# Altium PCB ModemExt.PcbDoc
Units mm, origin at the board's own origin, x right, y up, seen from the top; angles counter-clockwise.
Board outline 33.91 x 33.02 mm, 4 copper layers (Top Layer, GND, POWER, Bottom Layer), stack 1.019 mm thick; 56 components, 52 nets, 443 pads, 107 vias.
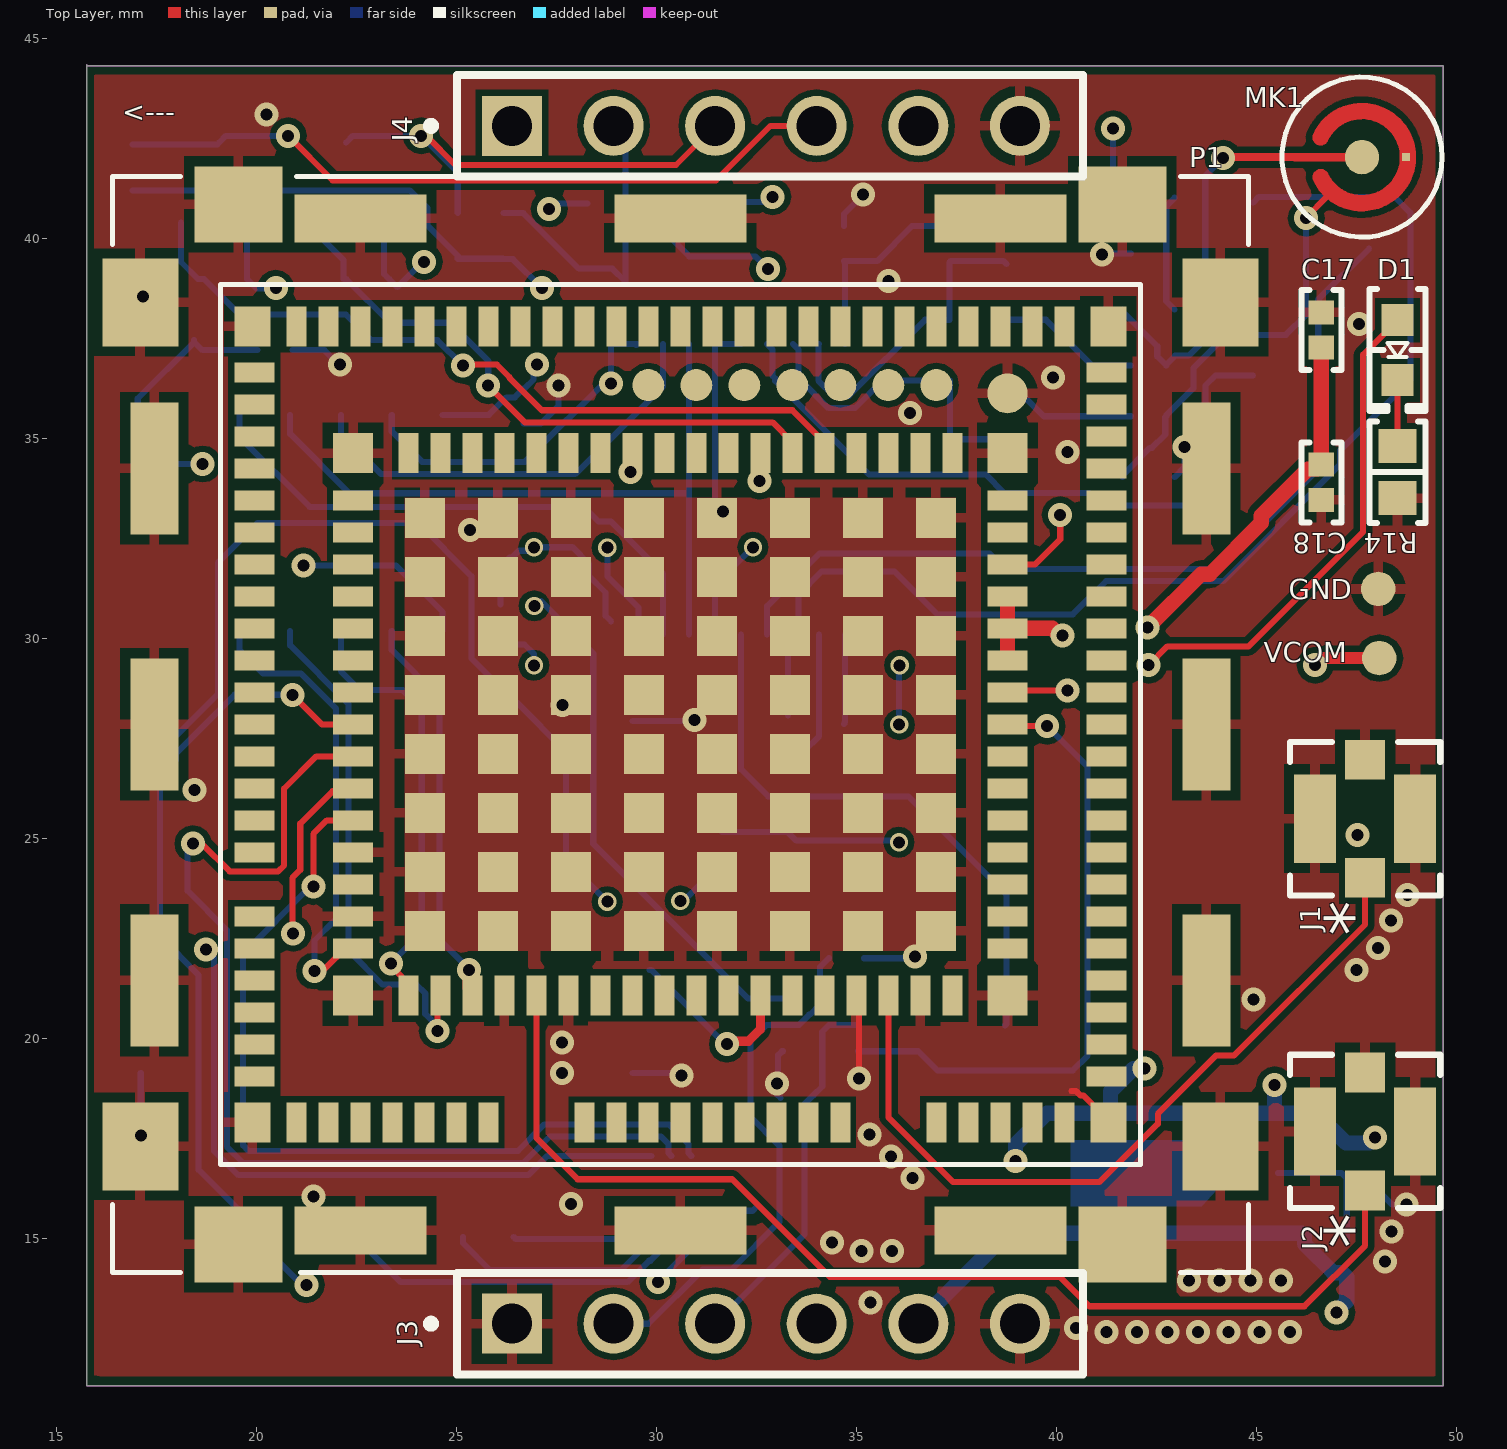
[diagram p0: Top Layer view]
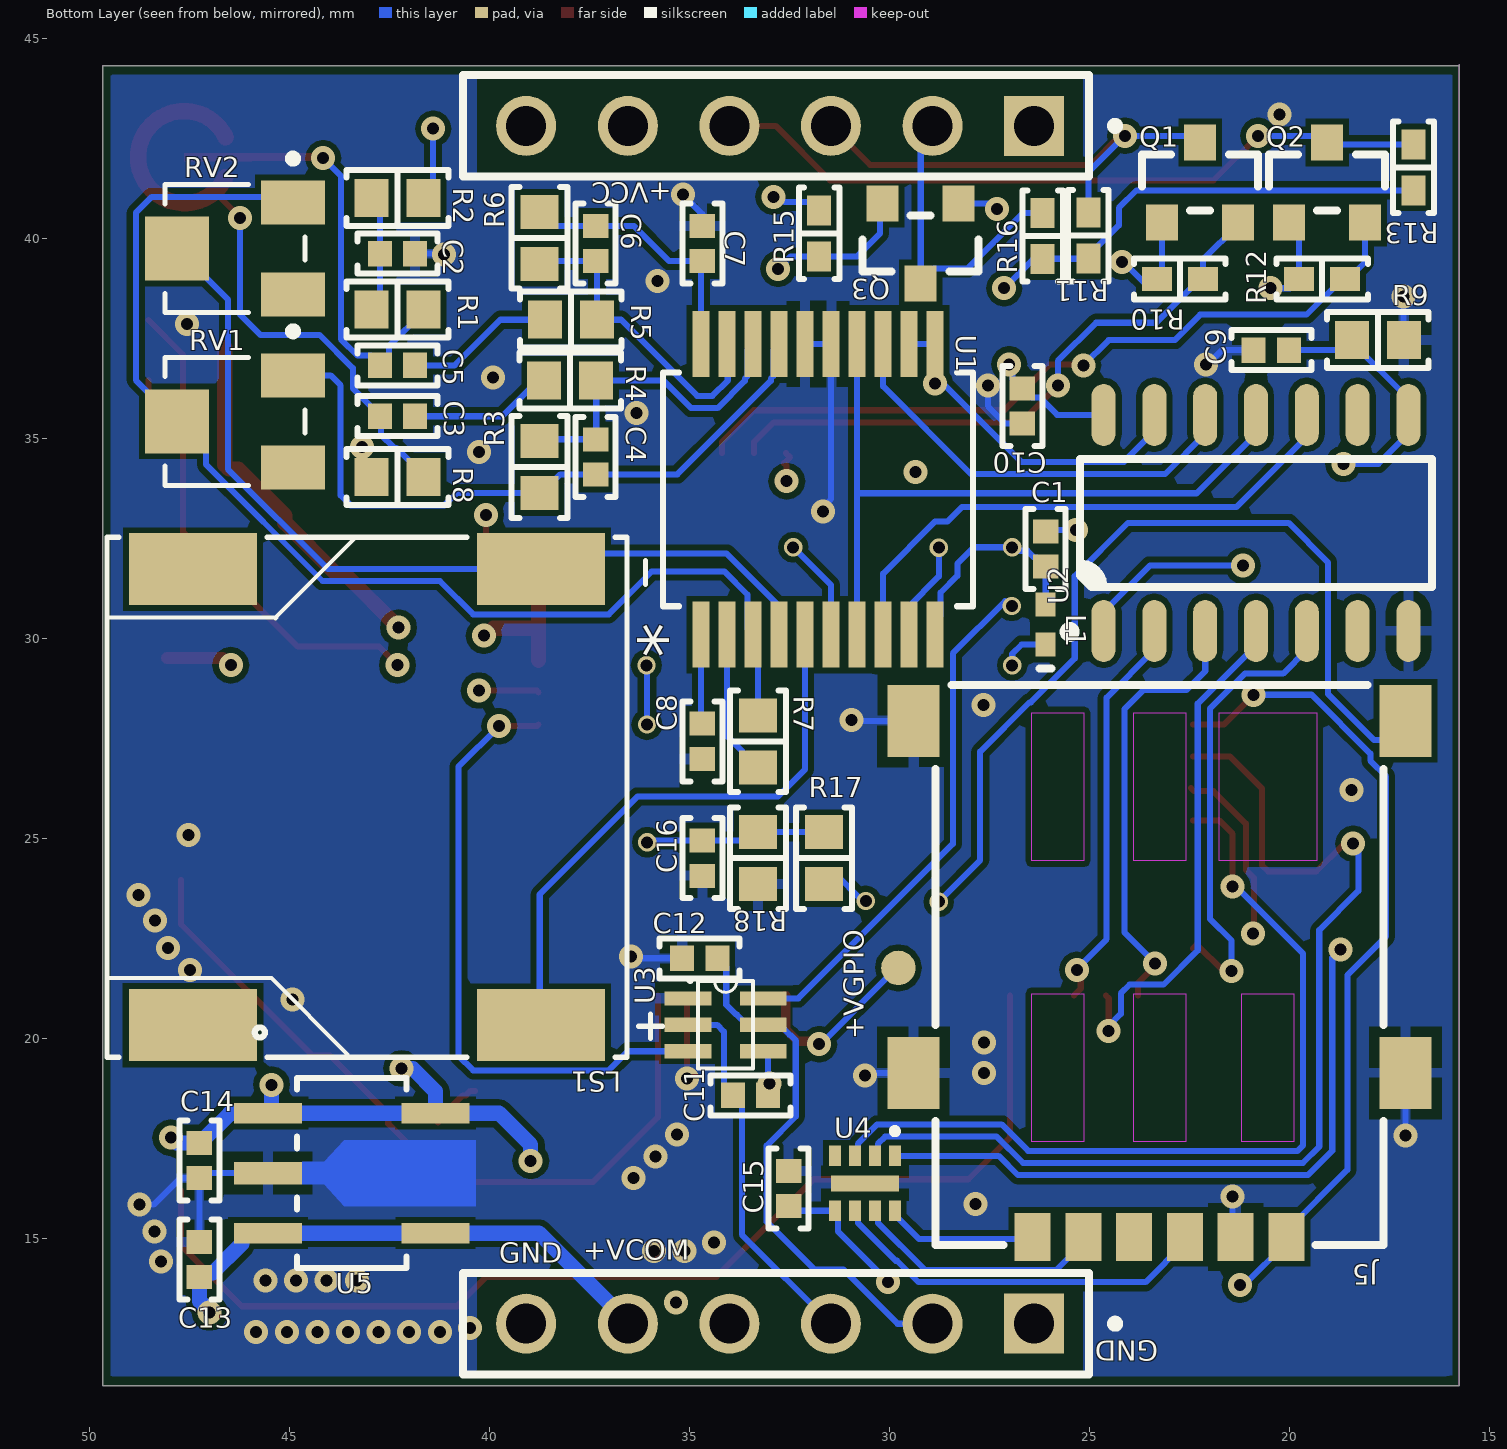
[diagram p1: Bottom Layer view, seen from below]
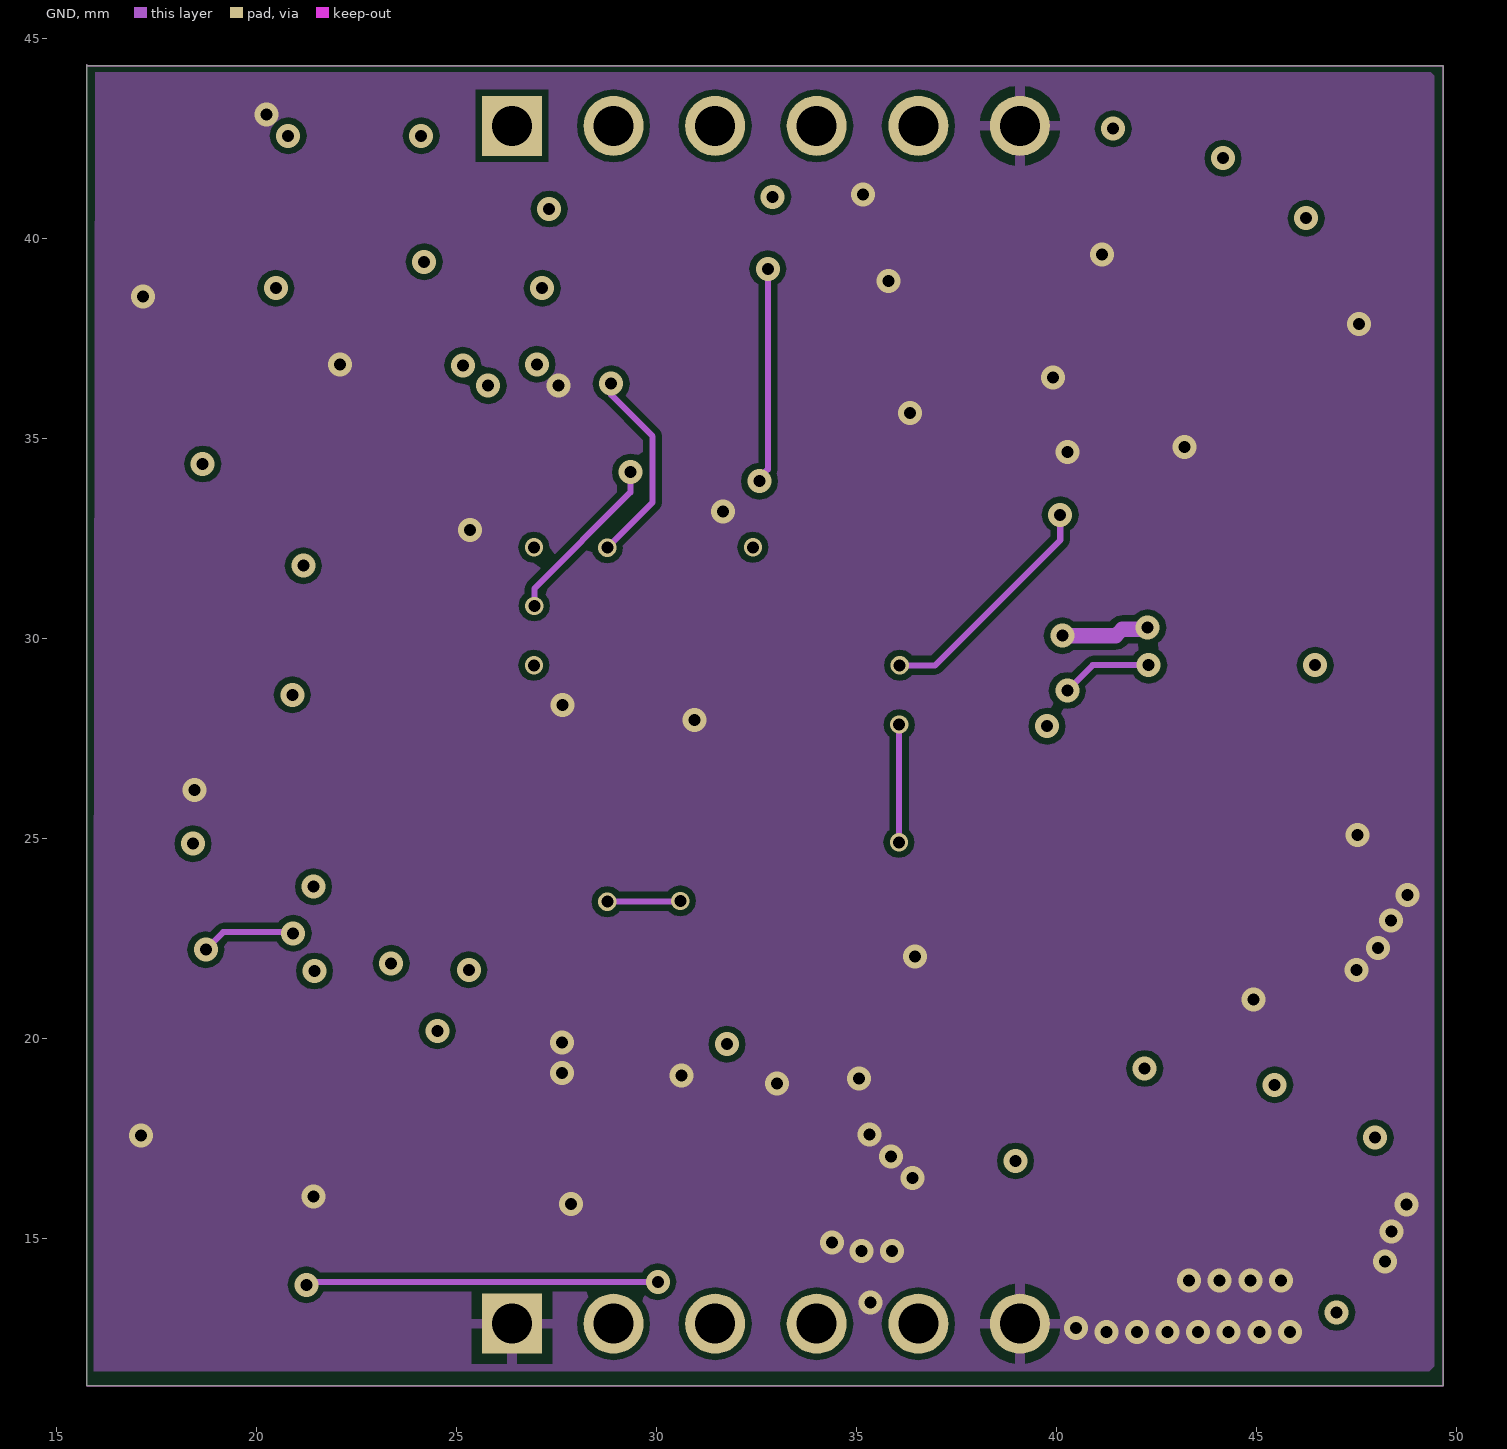
[diagram p2: GND]
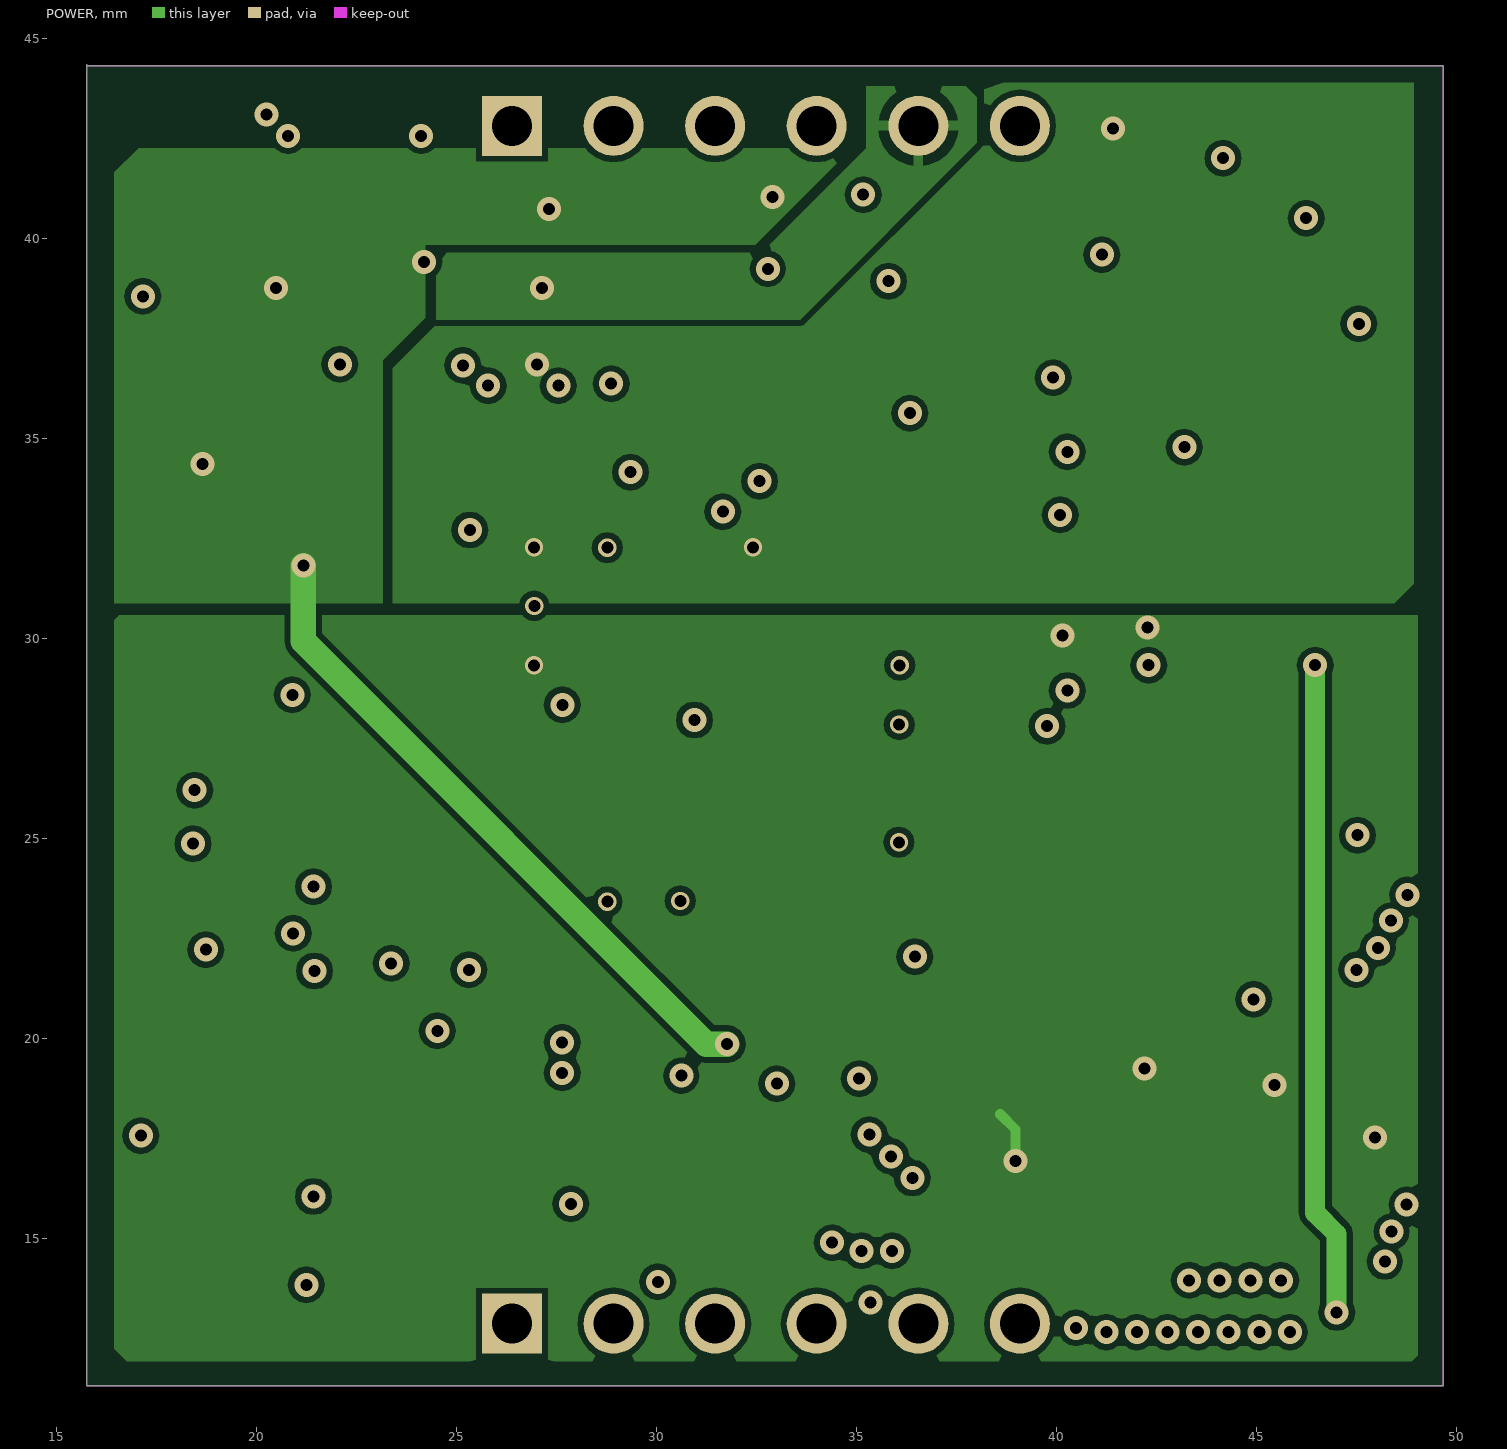
[diagram p3: POWER]

## Layer stack, top to bottom
Top Solder: solder mask 0.0102, Solder Resist, Dk 3.5
Top Layer: signal copper 0.0356
Dielectric 2: prepreg 0.091, FR-4, Dk 4.3
GND: signal copper 0.035
Dielectric 1: dielectric 0.696, FR-4, Dk 4.3
POWER: signal copper 0.035
Dielectric 3: prepreg 0.091, FR-4, Dk 4.3
Bottom Layer: signal copper 0.0356
Bottom Solder: solder mask 0.0102, Solder Resist, Dk 3.5

## Board outline
49.657,44.323 15.768,44.323 15.748,44.343 15.748,11.323 49.657,11.323

## Design rules (kind name [scope] priority, off if disabled: settings)
Clearance [All] p1: gap=0.152 ignorepadtopadclearanceinfootprint=TRUE except(0: Arc-Text Track-Text SMDPad-Text THPad-Text Via-Text Fill-Text Poly-Text Region-Text Text-Text Text-Hole)
ComponentClearance [All] p1: gap=0.15 collisioncheckmode=3 verticalgap=0.254 showdistances=TRUE
HoleSize [All] p1: absolutevalues=TRUE maxlimit=2.54 minlimit=0.3 maxpercent=80.000 minpercent=20.000
HoleToHoleClearance [All] p1: gap=0.152 allowstackedmicrovias=TRUE
MinimumSolderMaskSliver [All] p1: minsoldermaskwidth=0
PlaneConnect [All] p1: planeconnectstyle=Direct reliefexpansion=0.508 reliefentries=4 reliefconductorwidth=0.254 reliefairgap=0.254
PolygonConnect GND-Base [IsNamedPolygon('GND_L01_P030') vs HasFootprint('SIERRA_WP_SNAP-IN_BASE')] p1: connectstyle=Direct reliefconductorwidth=0.254 reliefentries=4 polygonreliefangle="90 Angle" airgapwidth=0.254
PolygonConnect [All] p2: thpad.connectstyle=Relief thpad.reliefconductorwidth=0.254 thpad.reliefentries=4 thpad.polygonreliefangle="90 Angle" thpad.airgapwidth=0.254 smdpad.connectstyle=Relief smdpad.reliefconductorwidth=0.254 smdpad.reliefentries=4 smdpad.polygonreliefangle="90 Angle" smdpad.airgapwidth=0.254 via.connectstyle=Direct via.reliefconductorwidth=0.254 via.reliefentries=4 via.polygonreliefangle="90 Angle" via.airgapwidth=0.254
RoutingVias [All] p1: holewidth=0.3 width=0.6 viastyle="Through Hole" minholewidth=0.3 minwidth=0.3 maxholewidth=0.711 maxwidth=10
SilkToSilkClearance [All] p1: silktosilkclearance=0
SilkToSolderMaskClearance [IsPad] p1: minsilkscreentomaskgap=0 clearancetoexposedcopper=TRUE
SolderMaskExpansion [All] p1: expansion=0.102
Width [All] p1: maxlimit=25.375 minlimit=0.152 preferedwidth=0.254 toplayer_maxwidth=10 toplayer_prefwidth=0.152 midlayer1_maxwidth=9.982 midlayer1_prefwidth=0.152 midlayer2_minwidth=0.254 bottomlayer_maxwidth=10 bottomlayer_prefwidth=0.152 minimp=50.000000 maximp=50.000000 favimp=50.000000
23 further rules are at their usual default settings.

## Classes and differential pairs
component class ModemExt: C11 C12 C13 C14 C15 C16 C17 C18 D1 J1 J2 J3 J4 J5 L1 P1 Q1 Q2 Q3 R10 R11 R12 R13 R14 R15 R16 R17 R18 U3 U4 U5
component class ModemExt2: C1 C2 C3 C4 C5 C6 C7 C8 C9 C10 LS1 MK1 R1 R2 R3 R4 R5 R6 R7 R8 R9 RV1 RV2 U1 U2

## Components (designator, comment, footprint, x,y, rotation, side; value= is the part's Value field where it differs from the comment)
C1 "0.1uF" "CAP 0402_1005" 26.086,32.241 r270 bottom
C2 "22uF" "CAP 0402_1005" 42.291,39.624 r180 bottom
C3 "1uF" "CAP 0402_1005" 42.291,35.56 r0 bottom
C4 "100pF" "CAP 0402_1005" 37.338,34.544 r90 bottom
C5 "1uF" "CAP 0402_1005" 42.291,36.83 r0 bottom
C6 "100pF" "CAP 0402_1005" 37.338,39.878 r270 bottom
C7 "0.01uF" "CAP 0402_1005" 34.671,39.878 r90 bottom
C8 "0.1uF" "CAP 0402_1005" 34.671,27.432 r270 bottom
C9 "0.1uF" "CAP 0402_1005" 20.447,37.211 r180 bottom
C10 "0.1uF" "CAP 0402_1005" 26.67,35.814 r270 bottom
C11 "22pF" "CAP 0402_1005" 33.467,18.58 r0 bottom
C12 "22pF" "CAP 0402_1005" 34.737,22.009 r180 bottom
C13 "1.0uF" "CAP 0402_1005" 47.244,14.478 r270 bottom
C14 "2.2µF" "CAP 0402_1005" 47.244,16.95 r90 bottom
C15 "100nF" "CAP 0402_1005" 32.512,16.256 r270 bottom
C16 "1nF" "CAP 0402_1005" 34.671,24.511 r90 bottom
C17 "1.0uF" "CAP 0402_1005" 46.609,37.719 r270 top
C18 "1.0uF" "CAP 0402_1005" 46.609,33.909 r90 top
D1 "Blue" "LED 0603_1608 BLUE" 48.514,37.211 r270 top
J1 "UMCC connector male" 73412-0114_MOL 47.701,25.5 r90 top
J2 "UMCC connector male" 73412-0114_MOL 47.701,17.678 r90 top
J3 "male pin header 6 pos" "6 PIN PADS" 26.374,12.872 r0 top locked
J4 "male pin header 6 pos" "6 PIN PADS" 26.374,42.819 r0 top locked
J5 "Sim Card" "GCT SIM8060-6-1-14-00-A" 23.241,21.844 r0 bottom locked
L1 "Inductor" 0402-A 26.086,30.353 r90 bottom value=1uH
LS1 "CDS-13138-SMT-TR" SPKR_CDS-13138-SMT-TR 43.053,26.035 r90 bottom
MK1 "CMEJ-0413-42-SMT-TR" MIC_CMEJ-0413-42-SMT-TR 47.625,42.037 r270 top
P1 "HL_SNAP-IN_BASE_1" SIERRA_WP_SNAP-IN_BASE 30.583,27.858 r180 top locked
Q1 "BSS138" "ON SEMI SOT-23-3" 22.225,41.402 r90 bottom
Q2 "BSS138" "ON SEMI SOT-23-3" 19.05,41.402 r90 bottom
Q3 "BSS138" "ON SEMI SOT-23-3" 29.21,39.878 r270 bottom
R1 "1.5K" "RES 0603_1608" 42.291,38.227 r180 bottom
R2 "1K" "RES 0603_1608" 42.291,41.021 r0 bottom
R3 "62K" "RES 0603_1608" 38.735,34.29 r90 bottom
R4 "3.9K" "RES 0603_1608" 37.973,36.449 r0 bottom
R5 "3.9K" "RES 0603_1608" 37.958,37.973 r0 bottom
R6 "62K" "RES 0603_1608" 38.735,40.02 r270 bottom
R7 "27K" "RES 0603_1608" 33.274,27.432 r90 bottom
R8 "1.5K" "RES 0603_1608" 42.291,34.036 r0 bottom
R9 "10K" "RES 0603_1608" 17.78,37.465 r180 bottom
R10 "10 K" "RES 0402_1005" 22.733,38.989 r0 bottom
R11 "10K" "RES 0402_1005" 25.019,40.072 r270 bottom
R12 "10 K" "RES 0402_1005" 19.177,38.989 r0 bottom
R13 "10K" "RES 0402_1005" 16.891,41.783 r270 bottom
R14 "47R" "RES 0603_1608" 48.514,34.163 r90 top
R15 "10 K" "RES 0402_1005" 31.75,40.132 r90 bottom
R16 "10K" "RES 0402_1005" 26.162,40.065 r270 bottom
R17 "1K" "RES 0603_1608" 31.623,24.511 r90 bottom
R18 "100K" "RES 0603_1608" 33.274,24.511 r90 bottom
RV1 "3313J-1-503E" *TRIM_3313J-1-503E 46.355,35.433 r90 bottom value=27K
RV2 "3313J-1-503E" *TRIM_3313J-1-503E 46.355,39.751 r90 bottom value=27K
U1 "W681360RG" SSOP20_MC_MCH 31.776,33.731 r90 bottom
U2 "TXB0104DR" "TI SOIC-14 D" 20.828,32.893 r90 bottom
U3 "NPN pre-biased" SOT363 34.087,20.345 r180 bottom
U4 "ESD protection" DPV8_1P7X0P4 30.607,16.383 r270 bottom
U5 "LDO" SOT89-5_ONS 43.434,16.637 r270 bottom

## Footprints (in the part's own frame and the unit in brackets; to place one, negate y for a bottom-side part, rotate by r counter-clockwise, add the part's x,y. Pads: shape width x height; smd on the part's side, far side on the other; paste and mask are expansions set on the pad)
"6 PIN PADS" [mm]
  rect 1.5x1.5 hole 1: 1(0,0)
  round 1.5 hole 1: 2(2.54,0) 3(5.08,0) 4(7.62,0) 5(10.16,0) 6(12.7,0)
  silkscreen extent -2.12,-1.27 14.27,1.27, body extent -1.07,-1.17 13.77,1.17, height 8.18
0402-A [mm] "Chip Inductor, Body 1.0x0.5mm, IPC High Density"
  rect 0.6x0.5 smd: 1(-0.5,0) 2(0.5,0)
  silkscreen extent -1.1,-0.15 -1.1,0.15, body extent -0.55,-0.3 0.55,0.3, height 0.55
73412-0114_MOL [mil]
  rect 39x39 smd paste-19.5 mask+0: 1(-58.07,0) 3(58.07,0)
  rect 87x41 smd paste+0 mask+0: 2(0,-49.21) 4(0,49.21)
  silkscreen extent -76,-74 75,74, body extent -61,-59 61,59, height 49
*TRIM_3313J-1-503E [mm]
  rect 1.1x1.6 smd: 1(1.15,-1.45) 3(-1.15,-1.45)
  rect 1.6x1.6 smd: 2(0,1.45)
  silkscreen extent -1.6,-1.75 2.35,1.75, body extent -1.65,-1.78 1.65,1.73
"CAP 0402_1005" [mm] "Chip Capacitor, 2-Leads, Body 1.02x0.51mm, IPC Medium Density"
  rect 0.6x0.64 smd: 1(-0.44,0) 2(0.44,0)
  silkscreen extent -1,-0.5 1,0.5, body extent -0.5,-0.26 0.5,0.26, height 0.52
DPV8_1P7X0P4 [mm]
  rect 0.508x0.3 smd paste+0 mask+0: 1(-0.686,0.75) 2(-0.686,0.25) 3(-0.686,-0.25) 4(-0.686,-0.75) 5(0.686,-0.75) 6(0.686,-0.25) 7(0.686,0.25) 8(0.686,0.75)
  rect 0.4x1.7 smd paste+0 mask+0: 9(0,0)
  silkscreen extent -1.38,0.67 -1.23,0.83, body extent -0.85,-1.05 0.85,1.05, height 0.65
"GCT SIM8060-6-1-14-00-A" [mm] "6 Position Card Connector NANO SIM Surface Mount, Right Angle Gold"
  rect 0.9x1.2 smd: C1(-3.175,6.8) C2(-0.635,6.8) C3(1.905,6.8) C5(-1.905,6.8) C6(0.635,6.8) C7(3.175,6.8)
  rect 1.3x1.8 smd: S(-6.15,2.7) S(6.15,-6.1) S(6.15,2.7) SW(-6.15,-6.1)
  Top Layer keep-out region: -3.93,-2.6 -1.49,-2.6 -1.49,-6.3 -3.93,-6.3
  Top Layer keep-out region: -0.65,-2.6 0.65,-2.6 0.65,-6.3 -0.65,-6.3
  Top Layer keep-out region: 1.89,-2.6 3.19,-2.6 3.19,-6.3 1.89,-6.3
  Top Layer keep-out region: 1.89,4.42 3.19,4.42 3.19,0.72 1.89,0.72
  Top Layer keep-out region: -0.65,4.42 0.65,4.42 0.65,0.72 -0.65,0.72
  Top Layer keep-out region: -3.36,4.42 -2.06,4.42 -2.06,0.72 -3.36,0.72
  silkscreen extent -5.6,-7 5.6,7, body extent -6.2,-7 6.2,7.1, height 1.4
"LED 0603_1608 BLUE" [mm] "Chip Diode, 2-Leads, Body 1.60x0.80mm, IPC Medium Density"
  rect 0.8x0.8 smd: 1(-0.75,0) 2(0.75,0)
  silkscreen extent -1.52,-0.7 1.52,0.7, body extent -0.8,-0.4 0.8,0.4, height 0.53
MIC_CMEJ-0413-42-SMT-TR [mm]
  round 0.254 on Top Overlay: 7(0,-2.616)
  round 0.864 on Top Solder: 11(0,0)
  rect 0.2x0.2 smd paste-1 mask+0: N(0,1.1)
  round 0.86 smd mask+0: P(0,0)
  Top Layer region: 305 vertices and 0 holes, not listed, extent -1.35,-1.237 1.35,1.35
  Top Layer region: 0.1,-1.7 -0.1,-1.7 -0.1,0 0.1,0
  silkscreen extent -2,-2 2,2, body extent -2,-1.97 2,2.03, height 1.35
"ON SEMI SOT-23-3" [mm] "SOT23, 3-Leads, Body 2.90x2.40mm, Pitch 0.95mm, IPC Medium Density"
  rect 0.9x0.8 smd: 1(-1,0.95) 2(-1,-0.95) 3(1,0)
  silkscreen extent -0.7,-1.45 0.7,1.45, body extent -1.16,-1.45 1.16,1.45, height 1
"RES 0402_1005" [mm] "Chip Resistor, 2-Leads, Body 1.0x0.5mm, IPC Medium Density"
  rect 0.75x0.6 smd: 1(-0.575,0) 2(0.575,0)
  silkscreen extent -1.14,-0.51 1.14,0.51, body extent -0.5,-0.25 0.5,0.25, height 0.35
"RES 0603_1608" [mm] "Chip Resistor, 2-Leads, Body 1.60x0.80mm, IPC Medium Density"
  rect 0.85x0.95 smd: 1(-0.65,0) 2(0.65,0)
  silkscreen extent -1.27,-0.7 1.27,0.7, body extent -0.8,-0.4 0.8,0.4, height 0.45
SIERRA_WP_SNAP-IN_BASE [mm]
  rect 0.5x1 smd paste-1: 1(-6.8,-6.78) 2(-6,-6.78) 3(-5.2,-6.78) 4(-4.4,-6.78) 5(-3.6,-6.78) 6(-2.8,-6.78) 7(-2,-6.78) 8(-1.2,-6.78) 9(-0.4,-6.78) 10(0.4,-6.78) 11(1.2,-6.78) 12(2,-6.78) 13(2.8,-6.78) 14(3.6,-6.78) 15(4.4,-6.78) 16(5.2,-6.78) 17(6,-6.78) 18(6.8,-6.78) 34(6.8,6.78) 35(6,6.78) 36(5.2,6.78) 37(4.4,6.78) 38(3.6,6.78) 39(2.8,6.78) 40(2,6.78) 41(1.2,6.78) 42(0.4,6.78) 43(-0.4,6.78) 44(-1.2,6.78) 45(-2,6.78) 46(-2.8,6.78) 47(-3.6,6.78) 48(-4.4,6.78) 49(-5.2,6.78) 50(-6,6.78) 51(-6.8,6.78) 71(-9.6,-9.95) 72(-8.8,-9.95) 73(-8,-9.95) 74(-7.2,-9.95) 75(-6.4,-9.95) 76(-5.6,-9.95) 77(-4.8,-9.95) 78(-4,-9.95) 79(-3.2,-9.95) 80(-2.4,-9.95) 81(-1.6,-9.95) 82(-0.8,-9.95) 83(0,-9.95) 84(0.8,-9.95) 85(1.6,-9.95) 86(2.4,-9.95) 87(3.2,-9.95) 88(4,-9.95) 89(4.8,-9.95) 90(5.6,-9.95) 91(6.4,-9.95) 92(7.2,-9.95) 93(8,-9.95) 94(8.8,-9.95) 95(9.6,-9.95) 119(9.6,9.95) 120(8.8,9.95) 121(8,9.95) 122(7.2,9.95) 123(6.4,9.95) 124(5.6,9.95) 125(4.8,9.95) 128(2.4,9.95) 129(1.6,9.95) 130(0.8,9.95) 131(0,9.95) 132(-0.8,9.95) 133(-1.6,9.95) 134(-2.4,9.95) 135(-3.2,9.95) 136(-4,9.95) 139(-6.4,9.95) 140(-7.2,9.95) 141(-8,9.95) 142(-8.8,9.95) 143(-9.6,9.95)